# Altium PCB iTOP4412_main_Clasics_v3_2.PcbDoc (part 7 of 7)
Units mil, origin at the board's own origin, x right, y up, seen from the top; angles counter-clockwise.
Board outline 4331.71 x 7481.31 mil, 2 copper layers (TOP, BOTTOM), stack 10.4 mil thick; 260 components, 380 nets, 1380 pads, 1110 vias.
Unrouted connection lines stored in the file: 1.
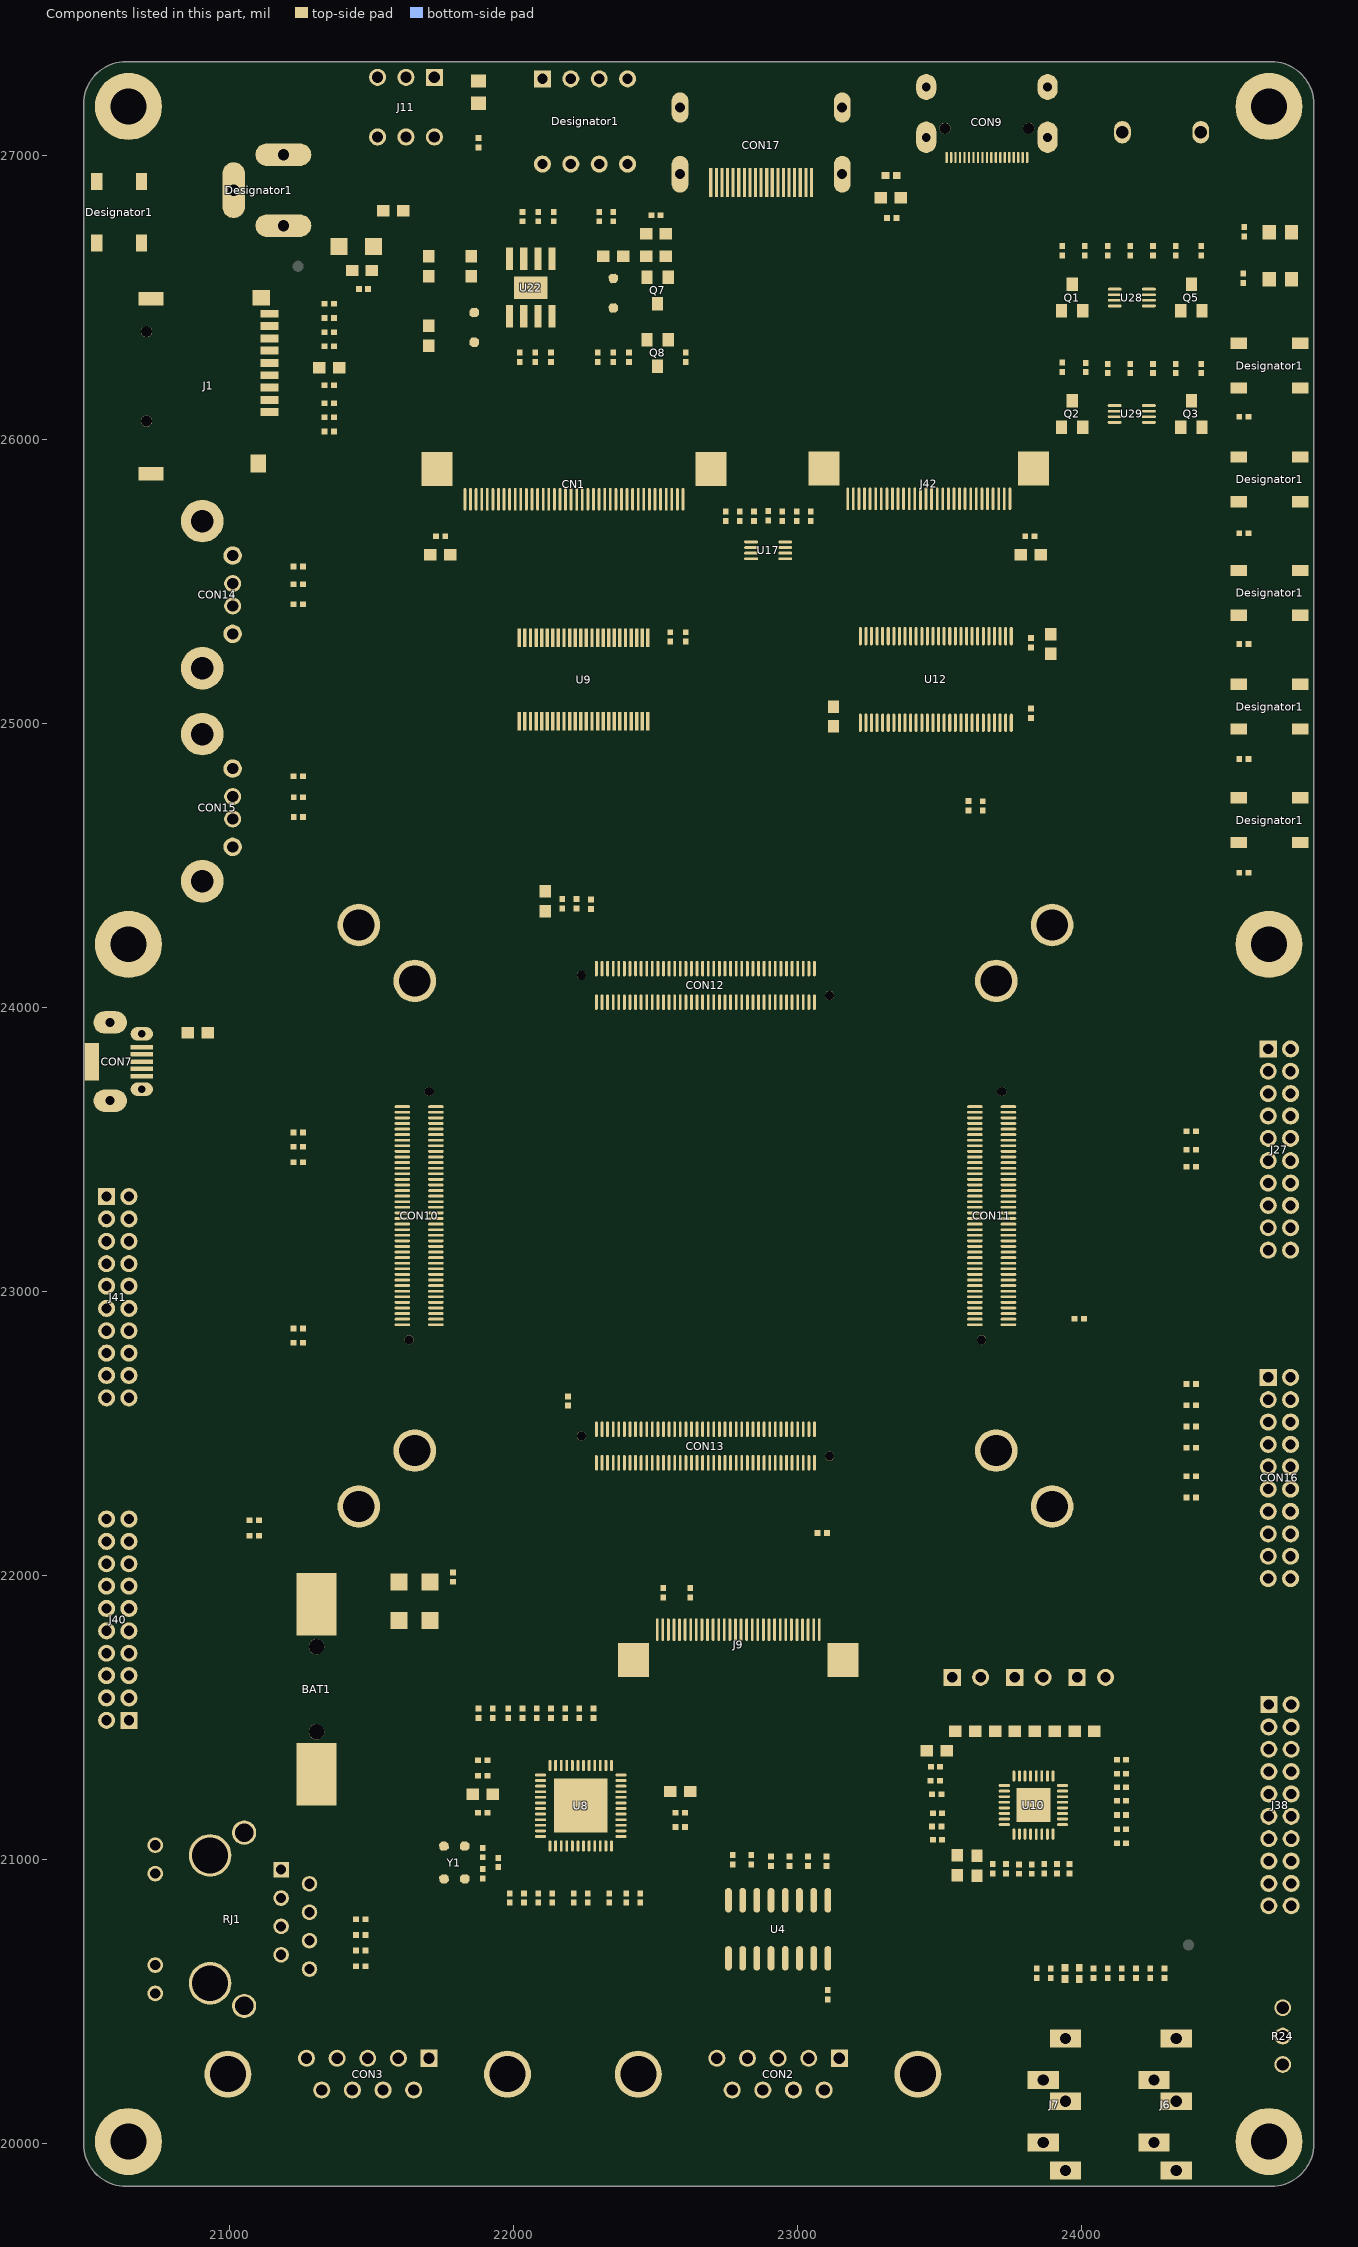
[diagram p7: the components of this part, seen from the top]

## Polygon pours and split planes (outlines as drawn) (continued)
GND on TOP (solid, pour order 235): 76 vertices, not listed, extent 21763.52,23005.72 21796.85,23050.54
GND on TOP (solid, pour order 233): 37 vertices, not listed, extent 21488.99,23010.81 21574.4,23032.91
GND on TOP (solid, pour order 231): 138 vertices, not listed, extent 21645.4,23035.34 21692.51,23096.19
GND on TOP (solid, pour order 229): 153 vertices, not listed, extent 23779.26,22975.78 24023.6,23120.12
GND on TOP (solid, pour order 227): 43 vertices, not listed, extent 21432.08,23070.65 21574.4,23089.25
GND on TOP (solid, pour order 225): 101 vertices, not listed, extent 20679.01,23073 21056.4,23383.16
GND on TOP (solid, pour order 223): 320 vertices, not listed, extent 22632.86,23442.45 23590.14,23640.57
GND on TOP (solid, pour order 221): 35 vertices, not listed, extent 24065.76,23488.07 24354.85,23773.07
GND on TOP (solid, pour order 219): 114 vertices, not listed, extent 23661.15,23519.5 23708.26,23656.57
GND on TOP (solid, pour order 217): 52 vertices, not listed, extent 23552.45,23541.57 23590.14,23564.35
GND on TOP (solid, pour order 215): 91 vertices, not listed, extent 24112.53,23568.98 24381.44,23811.31
GND on TOP (solid, pour order 213): 126 vertices, not listed, extent 22081.98,23640.45 22378.4,23984.36
GND on TOP (solid, pour order 211): 113 vertices, not listed, extent 23459.06,23675.21 23708.26,23717.57
GND on TOP (solid, pour order 209): 593 vertices, not listed, extent 22601.25,23793.57 23056.77,23984.36
GND on TOP (solid, pour order 207): 63 vertices, not listed, extent 21602.86,23799.33 22072.85,24477.33
GND on TOP (solid, pour order 205): 105 vertices, not listed, extent 22197.86,23990.57 22316.34,24195.57
GND on TOP (solid, pour order 203): 292 vertices, not listed, extent 22896.52,24173.48 23427.19,24437.57
GND on TOP (solid, pour order 201): 36 vertices, not listed, extent 22310.86,24832.62 22382.49,24967.43
GND on TOP (solid, pour order 199): 36 vertices, not listed, extent 22290.39,24867.15 22323.43,24969.43
GND on TOP (solid, pour order 197): 40 vertices, not listed, extent 23197.86,25043.81 23371.93,25097.07
GND on TOP (solid, pour order 195): 40 vertices, not listed, extent 22182.32,25046.43 22303.75,25092.57
GND on TOP (solid, pour order 193): 53 vertices, not listed, extent 23394.59,25043.81 23699.23,25097.07
GND on TOP (solid, pour order 191): 38 vertices, not listed, extent 22154.9,25208.57 22225.01,25264.71
GND on TOP (solid, pour order 189): 40 vertices, not listed, extent 22233.9,25182.57 22323.43,25264.71
GND on TOP (solid, pour order 187): 23473.33,25223.07 23473.33,25267.96 23640.17,25267.96 23640.17,25223.07 23473.33,25223.07
GND on TOP (solid, pour order 185): 36 vertices, not listed, extent 22359.9,25198.57 22421.86,25264.71
GND on TOP (solid, pour order 183): 77 vertices, not listed, extent 22490.24,25246.57 22591.85,25334.57
GND on TOP (solid, pour order 181): 42 vertices, not listed, extent 22172.28,25341.72 22290.81,25442.57
GND on TOP (solid, pour order 179): 38 vertices, not listed, extent 22280.86,25341.72 22335.81,25422.57
GND on TOP (solid, pour order 177): 19 vertices, not listed, extent 23405.04,25348.93 23484.95,25743.88
GND on TOP (solid, pour order 175): 110 vertices, not listed, extent 22145.93,25390.62 22234.24,25466.01
GND on TOP (solid, pour order 173): 42 vertices, not listed, extent 23464.86,25383.48 23526.41,25743.88
GND on TOP (solid, pour order 171): 40 vertices, not listed, extent 23344.86,25414.97 23408.3,25743.88
GND on TOP (solid, pour order 169): 36 vertices, not listed, extent 22185.86,25604.79 22210.74,25742.33
GND on TOP (solid, pour order 167): 36 vertices, not listed, extent 22374.54,25629.79 22387.9,25742.33
GND on TOP (solid, pour order 165): 20 vertices, not listed, extent 22753.86,25615.73 22805.21,25730.57
GND on TOP (solid, pour order 163): 34 vertices, not listed, extent 22433.59,25639.58 22449.85,25742.33
GND on TOP (solid, pour order 161): 54 vertices, not listed, extent 24310.86,26259.46 24494.35,26585.2
GND on TOP (solid, pour order 159): 273 vertices, not listed, extent 24033.04,26237.62 24222.85,26481.9
GND on TOP (solid, pour order 157): 71 vertices, not listed, extent 22287.86,26313.12 22415.8,26429
GND on TOP (solid, pour order 155): 140 vertices, not listed, extent 24521.36,26443.12 24684.59,26638.83
GND on TOP (solid, pour order 153): 51 vertices, not listed, extent 23660.86,26424.31 23694.85,26965.78
GND on TOP (solid, pour order 151): 48 vertices, not listed, extent 23555.86,26583.31 23578.85,26965.78
GND on TOP (solid, pour order 149): 98 vertices, not listed, extent 22450.73,26682.45 22512.85,26774.57
GND on TOP (solid, pour order 147): 38 vertices, not listed, extent 22472.86,26806.57 22507.84,27066.57
GND on TOP (solid, pour order 145): 48 vertices, not listed, extent 22726.04,26964.03 22916.91,27025.57
GND on TOP (solid, pour order 143): 7373 vertices, not listed, extent 22966.26,19870.57 24798.56,27123.07
GND on TOP (solid, pour order 141): 50 vertices, not listed, extent 22439.86,20744.45 22466.85,20832.57
GND on TOP (solid, pour order 139): 836 vertices, not listed, extent 22504.9,20750.5 23245.35,22362.31
GND on TOP (solid, pour order 137): 69 vertices, not listed, extent 22322.75,20923.86 22589.35,21083.28
GND on TOP (solid, pour order 135): 78 vertices, not listed, extent 24449.75,20929.98 24649.85,20982.72
GND on TOP (solid, pour order 133): 166 vertices, not listed, extent 21856.86,21454.57 22019.85,21917.52
GND on TOP (solid, pour order 131): 77 vertices, not listed, extent 24530.86,21481.16 24644.12,21583.52
GND on TOP (solid, pour order 129): 535 vertices, not listed, extent 20579.12,21661.97 20826.85,22058.52
GND on TOP (solid, pour order 127): 206 vertices, not listed, extent 22135.86,21858.57 22793.61,22468.52
GND on TOP (solid, pour order 125): 213 vertices, not listed, extent 24225.86,21912.22 24379.85,22630.25
GND on TOP (solid, pour order 123): 150 vertices, not listed, extent 20657.86,22055.42 20883.81,22330.57
GND on TOP (solid, pour order 121): 260 vertices, not listed, extent 24350.36,22211.81 24650.51,22447.62
GND on TOP (solid, pour order 119): 104 vertices, not listed, extent 24388.86,22463.57 24647.85,22528.42
GND on TOP (solid, pour order 117): 1527 vertices, not listed, extent 22205.86,22486.6 23490.17,23450.57
GND on TOP (solid, pour order 115): 75 vertices, not listed, extent 24391.4,22608.76 24585.66,22662.57
GND on TOP (solid, pour order 113): 1053 vertices, not listed, extent 20657.86,22646.56 21904.73,23331.86
GND on TOP (solid, pour order 111): 99 vertices, not listed, extent 24135.95,22667.35 24319.85,23070.97
GND on TOP (solid, pour order 109): 67 vertices, not listed, extent 21763.52,22984.62 21864.85,23195.64
GND on TOP (solid, pour order 107): 173 vertices, not listed, extent 23307.42,23004.62 23415.81,23128.48
GND on TOP (solid, pour order 105): 55 vertices, not listed, extent 21363.74,23152.95 21574.4,23208.69
GND on TOP (solid, pour order 103): 633 vertices, not listed, extent 23165.86,23152.67 23590.14,23328.01
GND on TOP (solid, pour order 101): 230 vertices, not listed, extent 21645.4,23195.3 21692.51,23360.84
GND on TOP (solid, pour order 99): 481 vertices, not listed, extent 23779.26,23356.78 24626.7,23738.07
GND on TOP (solid, pour order 97): 124 vertices, not listed, extent 23661.15,23413.18 23708.26,23494.46
GND on TOP (solid, pour order 95): 306 vertices, not listed, extent 23145.93,23560.57 23509,23852.57
GND on TOP (solid, pour order 93): 290 vertices, not listed, extent 22389.83,23653.98 22544.61,23814.81
GND on TOP (solid, pour order 91): 183 vertices, not listed, extent 22348.34,23960.86 23304.34,24178.07
GND on TOP (solid, pour order 89): 1522 vertices, not listed, extent 21780.89,24173.48 23368.93,25667.74
GND on TOP (solid, pour order 87): 45 vertices, not listed, extent 22195.86,24487.94 22225.01,24969.43
GND on TOP (solid, pour order 85): 44 vertices, not listed, extent 22113.21,24490.9 22169.85,24967.43
GND on TOP (solid, pour order 83): 223 vertices, not listed, extent 22650.86,24602.62 23217.15,25122.57
GND on TOP (solid, pour order 81): 34 vertices, not listed, extent 22335.17,25627.94 22348.53,25742.33
GND on TOP (solid, pour order 79): 366 vertices, not listed, extent 22669.55,25839.89 23424.47,26431.94
GND on TOP (solid, pour order 77): 894 vertices, not listed, extent 22544.36,25839.89 23538.86,27025.57
GND on TOP (solid, pour order 75): 538 vertices, not listed, extent 21672.86,25838.34 22593.87,26840.57
GND on TOP (solid, pour order 73): 149 vertices, not listed, extent 24330.86,25870.53 24444.85,26137.82
GND on TOP (solid, pour order 71): 166 vertices, not listed, extent 24225.68,25903.57 24345.9,26048.03
GND on TOP (solid, pour order 69): 101 vertices, not listed, extent 22512.65,26105.57 22622.85,26242.52
GND on TOP (solid, pour order 67): 100 vertices, not listed, extent 24190.4,26109.62 24301.35,26248.2
GND on TOP (solid, pour order 65): 107 vertices, not listed, extent 24237.73,26187.96 24338.81,26481.34
GND on TOP (solid, pour order 63): 2410 vertices, not listed, extent 21582.86,26194.83 24798.56,27310.88
GND on TOP (solid, pour order 61): 185 vertices, not listed, extent 23885.86,26223.19 24040.66,26660.25
GND on TOP (solid, pour order 59): 142 vertices, not listed, extent 22365.86,26243.57 22553.36,26514.57
GND on TOP (solid, pour order 57): 8676 vertices, not listed, extent 20507.85,19870.57 24397.85,27310.88
GND on TOP (solid, pour order 55): 1935 vertices, not listed, extent 21672.86,24527.07 23261.64,26083.17
GND on TOP (solid, pour order 53): 23102.85,27231.94 23102.85,27109.49 23212.85,27109.49 23212.85,27231.94 23102.85,27231.94
GND on TOP (solid, pour order 47): 22526.18,27231.06 22526.18,27111.84 22646.57,27111.84 22646.57,27231.06 22526.18,27231.06
GND on TOP (solid, pour order 43): 21082.85,27065.57 21082.85,26945.57 21317.85,26945.57 21317.85,27065.57 21082.85,27065.57
GND on TOP (solid, pour order 41): 23210.36,26865.57 23210.36,27010.39 23102.85,27010.39 23102.85,26865.57 23210.36,26865.57
GND on TOP (solid, pour order 35): 22627.19,26862.99 22627.19,27001.29 22544.98,27001.29 22544.98,26862.99 22627.19,26862.99
GND on TOP (solid, pour order 31): 20942.85,26995.57 20942.85,26745.57 21057.85,26745.57 21057.85,26995.57 20942.85,26995.57
GND on TOP (solid, pour order 29): 50 vertices, not listed, extent 23457.86,21085.57 23589.03,21148.57
VSYS on TOP (solid, pour order 21): 71 vertices, not listed, extent 21477.85,23670.57 22487.85,26915.57
VSYS on TOP (solid, pour order 17): 17 vertices, not listed, extent 21847.85,22730.57 22137.85,23655.57
DC33V on TOP (solid, pour order 15): 23059.85,22338.57 23059.85,22542.57 23133.85,22542.57 23133.85,22456.57 23087.85,22456.57 23087.85,22392.57 23120.85,22392.57 23120.85,22338.57 23059.85,22338.57
N64621644 on TOP (solid, pour order 11): 21687.85,26765.21 21593.33,26765.52 21587.9,26765.52 21587.85,26765.57 21587.85,27310.57 21593.33,27310.57 21667.85,27310.57 21667.85,26905.23 21687.85,26905.23 21687.85,26765.21
VSYS_K on TOP (solid, pour order 9): 64 vertices, not listed, extent 21247.85,22805.57 22337.91,26595.72
N64899462 on TOP (solid, pour order 7): 21997.85,26475.57 21937.85,26475.57 21897.85,26475.57 21822.85,26475.57 21812.85,26465.57 21812.85,26435.57 21817.85,26430.57 21892.85,26430.57 21907.85,26415.57 21937.85,26415.57 21942.85,26415.57 21972.85,26385.57 21992.85,26385.57 21997.85,26390.57 21997.85,26475.57
VSYS_LCD on TOP (solid, pour order 5): 22 vertices, not listed, extent 22487.85,26035.57 22697.85,26670.57
VSYS_LCD on TOP (solid, pour order 3): 21824.85,25844.57 21824.85,25754.63 21904.43,25754.63 21904.43,25844.57 21824.85,25844.57
GND on BOTTOM (solid, pour order 387): 163 vertices, not listed, extent 20676.13,21858.2 20781.92,21911.68
GND on BOTTOM (solid, pour order 385): 122 vertices, not listed, extent 24065.36,21277.07 24245.1,21361.57
GND on BOTTOM (solid, pour order 383): 168 vertices, not listed, extent 20676.13,21779.46 20978.81,21861.57
GND on BOTTOM (solid, pour order 381): 208 vertices, not listed, extent 22902.86,22658.57 23310.81,23023.37
GND on BOTTOM (solid, pour order 379): 165 vertices, not listed, extent 23512.9,22814.57 23713.78,22859.57
GND on BOTTOM (solid, pour order 377): 471 vertices, not listed, extent 23165.86,23030.62 23376.85,23328.01
GND on BOTTOM (solid, pour order 375): 346 vertices, not listed, extent 21455.47,23230.13 21654.37,23335.83
GND on BOTTOM (solid, pour order 373): 226 vertices, not listed, extent 24377.37,23356.04 24627.17,23487.57
GND on BOTTOM (solid, pour order 371): 64 vertices, not listed, extent 24122.9,23398.57 24625.08,23763.47
GND on BOTTOM (solid, pour order 369): 175 vertices, not listed, extent 23538.86,23541.57 24064.85,25721.97
GND on BOTTOM (solid, pour order 367): 209 vertices, not listed, extent 23425.86,23652.52 23523.34,23852.16
GND on BOTTOM (solid, pour order 365): 280 vertices, not listed, extent 22662.26,23858.57 22812.41,23905.58
GND on BOTTOM (solid, pour order 363): 215 vertices, not listed, extent 23055.86,24322.62 23139.85,24571.81
GND on BOTTOM (solid, pour order 361): 194 vertices, not listed, extent 23425.86,24434.75 23546.85,24621.55
GND on BOTTOM (solid, pour order 359): 360 vertices, not listed, extent 21964.9,24437.62 22509.85,24622.57
GND on BOTTOM (solid, pour order 357): 84 vertices, not listed, extent 22685.86,24611.41 23007.85,24941.81
GND on BOTTOM (solid, pour order 355): 209 vertices, not listed, extent 20657.86,21582.98 20879.7,21714.46
GND on BOTTOM (solid, pour order 353): 222 vertices, not listed, extent 20679.01,22016.75 20991.85,22172.57
GND on BOTTOM (solid, pour order 351): 111 vertices, not listed, extent 21195.86,22032.62 21263.81,22126.61
GND on BOTTOM (solid, pour order 349): 1558 vertices, not listed, extent 23025.86,22108.57 24650.51,22740.57
GND on BOTTOM (solid, pour order 347): 163 vertices, not listed, extent 20588.49,22173.57 20834.85,22652.55
GND on BOTTOM (solid, pour order 345): 1327 vertices, not listed, extent 22116.01,22728.57 23488.84,24288.52
GND on BOTTOM (solid, pour order 343): 729 vertices, not listed, extent 21561.02,22792.62 22345.91,23476.57
GND on BOTTOM (solid, pour order 341): 269 vertices, not listed, extent 22232.86,22818.57 23038.35,23172.57
GND on BOTTOM (solid, pour order 339): 205 vertices, not listed, extent 24461.44,23159.56 24647.85,23291.03
GND on BOTTOM (solid, pour order 337): 112 vertices, not listed, extent 24179.9,23323.57 24625.08,23644.99
GND on BOTTOM (solid, pour order 335): 302 vertices, not listed, extent 21509.86,23406.49 21887.88,23606.32
GND on BOTTOM (solid, pour order 333): 1013 vertices, not listed, extent 23485.86,23413.98 24145.81,25803.27
GND on BOTTOM (solid, pour order 331): 151 vertices, not listed, extent 21819.22,23478.57 21945.81,23547.57
GND on BOTTOM (solid, pour order 329): 874 vertices, not listed, extent 22085.86,23615.9 22618.85,24462.61
GND on BOTTOM (solid, pour order 327): 483 vertices, not listed, extent 23022.86,23792.02 23912.85,25446.52
GND on BOTTOM (solid, pour order 325): 76 vertices, not listed, extent 23505.91,23841.46 23545.35,24413.62
GND on BOTTOM (solid, pour order 323): 289 vertices, not listed, extent 22814.04,23890.57 22912.85,24332.07
GND on BOTTOM (solid, pour order 321): 82 vertices, not listed, extent 23056.36,26014.07 23170.31,26591.07
GND on BOTTOM (solid, pour order 319): 13401 vertices, not listed, extent 20507.85,19870.57 24798.56,27310.88
GND on BOTTOM (solid, pour order 51): 23103.03,27231.94 23103.03,27109.2 23213.14,27109.2 23213.14,27231.94 23103.03,27231.94
GND on BOTTOM (solid, pour order 49): 22537.85,27235.57 22537.85,27110.57 22637.85,27110.57 22637.85,27235.57 22537.85,27235.57
GND on BOTTOM (solid, pour order 45): 21072.85,27055.57 21072.85,26940.57 21317.85,26940.57 21317.85,27055.57 21072.85,27055.57
GND on BOTTOM (solid, pour order 39): 23211.83,26863.86 23211.83,27002.9 23102.6,27002.9 23102.6,26863.86 23211.83,26863.86
GND on BOTTOM (solid, pour order 37): 22532.85,27014.21 22532.85,26858.29 22642.85,26858.29 22642.85,27014.21 22532.85,27014.21
GND on BOTTOM (solid, pour order 33): 20937.85,27000.57 20937.85,26770.57 21047.85,26770.57 21047.85,27000.57 20937.85,27000.57
GND on BOTTOM (solid, pour order 27): 357 vertices, not listed, extent 21231.81,22140.49 21870.74,22557.16
GND on BOTTOM (solid, pour order 25): 64 vertices, not listed, extent 21355.36,24072.12 21554.85,24515.02
GND on BOTTOM (solid, pour order 23): 73 vertices, not listed, extent 20576.46,21844.2 20620.38,21911.68
VSYS on BOTTOM (solid, pour order 19): 21927.85,23715.57 21950.41,23678.02 22067.85,23570.57 22067.85,23550.57 22115.35,23507.82 22137.85,23530.57 22137.93,23600.57 22137.85,23600.57 21972.67,23765.75 21962.59,23765.75 21927.85,23715.57
N64621021 on BOTTOM (solid, pour order 13): 17 vertices, not listed, extent 21084.44,26685.57 21777.85,27310.57
no net on PLACE_BOUND_TOP (solid): 21282.22,26610.57 ccw(c21242.85,26610.57) 21242.85,26649.94 ccw(c21242.85,26610.57) 21203.48,26610.57 ccw(c21242.85,26610.57) 21242.85,26571.2 ccw(c21242.85,26610.57) 21282.22,26610.57
no net on PLACE_BOUND_TOP (solid): 24417.22,20700.57 ccw(c24377.85,20700.57) 24377.85,20739.94 ccw(c24377.85,20700.57) 24338.48,20700.57 ccw(c24377.85,20700.57) 24377.85,20661.2 ccw(c24377.85,20700.57) 24417.22,20700.57
no net on Mechanical 16 (solid): 24417.22,20700.57 ccw(c24377.85,20700.57) 24377.85,20739.94 ccw(c24377.85,20700.57) 24338.48,20700.57 ccw(c24377.85,20700.57) 24377.85,20661.2 ccw(c24377.85,20700.57) 24417.22,20700.57

## Keep-outs
TOP:
  circle w1: c21242.85,26610.57 r39.37
  circle w1: c24377.85,20700.57 r39.37
  circle w1: c21242.85,26610.57 r39.37
  circle w1: c24377.85,20700.57 r39.37
BOTTOM:
  circle w1: c24377.85,20700.57 r39.37
  circle w1: c24377.85,20700.57 r39.37

## Other copper
TOP:
  drawing of 259 lines, arcs and shapes, not listed
BOTTOM:
  drawing of 215 lines, arcs and shapes, not listed

## Silkscreen, mask and mechanical layers (free items; w line width, h text height)
Top Overlay:
  drawing of 749 lines, arcs and shapes, not listed
  text "OM" at 22468.37,27248.9 h50
  text "V3_2" at 20792.4,27228.9 h50
  text "RESET" at 20507.85,26970.57 h50
  text "POWER" at 21491.91,26918.9 h50
  text "HDMI" at 23717.85,26870.57 h50
  text "LVDS-LCD" at 22777.85,26720.57 h50
  text "HOME" at 24552.4,26388.9 h50
  text "TF" at 21177.85,25900.57 h50
  text "BACK" at 24277.85,25820.57 h50
  text "RGB-LCD" at 22050.93,25608.9 h50
  text "LVDS-LCD" at 23260.44,25608.9 h50
  text "SLEEP" at 24267.85,25450.57 h50
  text "VOL+" at 24277.85,25040.57 h50
  text "VOL-" at 24287.85,24650.57 h50
  text "OTG" at 20532.85,24015.57 h50
  text "CAMERA" at 24529.52,23104.14 h50 r90
  text "POP & SCP" at 22674.52,22978.57 h80 r90
  text "UART+KEYPAD+GPS" at 20824.52,22554.74 h50 r90
  text "JTAG" at 24529.52,22245.11 h50 r90
  text "MIPI" at 23032.85,21955.57 h50
  text "WIFI" at 20824.52,21535.11 h50 r90
  text "GPIO" at 24529.52,21095.11 h50 r90
  text "UART1" at 22487.85,20445.57 h50
  text "PHONE" at 23828.91,20440.9 h50
  text "UART2" at 21726.91,20438.9 h50
  text "MIC" at 24177.88,20438.9 h50
  text "AD" at 24529.52,20421.09 h50 r90
NCLEGEND-1-2:
  circle w1: c27474.38,20890.59 r25
  circle w1: c27474.38,18642.75 r32.5
  lines w1: 27025,13725.6 31859.7,13725.6 ; 27025,14006.58 31859.7,14006.58 ; 27025,14287.56 31859.7,14287.56 ; 27025,14568.54 31859.7,14568.54 ; 27025,14849.52 31859.7,14849.52 ; 27025,15130.5 31859.7,15130.5 ; 27025,15411.48 31859.7,15411.48 ; 27025,15692.46 31859.7,15692.46 ; 27025,15973.44 31859.7,15973.44 ; 27025,16254.42 31859.7,16254.42 ; 27025,16535.4 31859.7,16535.4 ; 27025,16816.38 31859.7,16816.38 ; 27025,17097.36 31859.7,17097.36 ; 27025,17378.34 31859.7,17378.34 ; 27025,17659.32 31859.7,17659.32 ; 27025,17940.3 31859.7,17940.3 ; 27025,18221.28 31859.7,18221.28 ; 27025,18502.26 31859.7,18502.26 ; 27025,18783.24 31859.7,18783.24 ; 27025,19064.22 31859.7,19064.22 ; 27025,19345.2 31859.7,19345.2 ; 27025,19626.18 31859.7,19626.18 ; 27025,19907.16 31859.7,19907.16 ; 27025,20188.14 31859.7,20188.14 ; 27025,20469.12 31859.7,20469.12 ; 27025,20750.1 31859.7,20750.1 ; 27025,21031.08 31859.7,21031.08 ; 27025,21312.06 31859.7,21312.06 ; 27025,21593.04 31859.7,21593.04 ; 27025,21874.02 31859.7,21874.02 ; 27025,22155 31859.7,22155 ; 27468.38,21452.55 27480.38,21452.55 ; 27474.38,21446.55 27474.38,21458.55 ; 27923.76,13444.62 27923.76,21874.02 ; 29814.26,13444.62 29814.26,21874.02 ; 31084.92,13444.62 31084.92,21874.02 ; 27025,13444.62 27025,22405 31859.7,22405 31859.7,13444.62 27025,13444.62 ; 27431.07,14408.36 27431.07,14447.74 27517.69,14447.74 27517.69,14408.36 27431.07,14408.36 ; 27435.01,13545.74 ccw(c27435.01,13585.11) 27435.01,13624.48 27513.75,13624.48 ccw(c27513.75,13585.11) 27513.75,13545.74 27435.01,13545.74 ; 27435.01,13826.72 ccw(c27435.01,13866.09) 27435.01,13905.46 27513.75,13905.46 ccw(c27513.75,13866.09) 27513.75,13826.72 27435.01,13826.72 ; 27435.41,20328.63 27446.82,20301.08 27474.38,20289.66 27501.93,20301.08 27513.34,20328.63 27501.93,20356.18 27474.38,20367.6 27446.82,20356.18 27435.41,20328.63 ; 27438.94,14111.64 ccw(c27438.94,14147.07) 27438.94,14182.5 27509.81,14182.5 ccw(c27509.81,14147.07) 27509.81,14111.64 27438.94,14111.64 ; 27441.9,19199.3 ccw(c27474.38,19199.3) 27506.86,19199.3 27506.86,19210.12 ccw(c27474.38,19210.12) 27441.9,19210.12 27441.9,19199.3 ; 27450.76,14673.6 ccw(c27450.76,14709.03) 27450.76,14744.46 27498,14744.46 ccw(c27498,14709.03) 27498,14673.6 27450.76,14673.6 ; 27452.72,18907.49 27452.72,18939.97 27496.03,18939.97 27496.03,18907.49 27452.72,18907.49 ; 27454.69,14958.51 ccw(c27454.69,14990.01) 27454.69,15021.51 27494.06,15021.51 ccw(c27494.06,14990.01) 27494.06,14958.51 27454.69,14958.51 ; 27454.69,19746.99 27474.38,19786.35 27494.06,19746.99 27454.69,19746.99 ; 27454.69,20047.65 27474.38,20067.33 27494.06,20047.65 27474.38,20027.97 27454.69,20047.65 ; 27460.6,15239.49 ccw(c27460.6,15270.99) 27460.6,15302.49 27488.16,15302.49 ccw(c27488.16,15270.99) 27488.16,15239.49 27460.6,15239.49 ; 27461.09,15800.47 ccw(c27461.09,15832.95) 27461.09,15865.43 27487.67,15865.43 ccw(c27487.67,15832.95) 27487.67,15800.47 27461.09,15800.47 ; 27461.09,16081.45 ccw(c27461.09,16113.93) 27461.09,16146.41 27487.67,16146.41 ccw(c27487.67,16113.93) 27487.67,16081.45 27461.09,16081.45 ; 27462.38,20603.61 27474.38,20597.61 27486.38,20603.61 27486.38,20615.61 27474.38,20621.61 27462.38,20615.61 27462.38,20603.61 ; 27464.54,15520.47 ccw(c27464.54,15551.97) 27464.54,15583.47 27484.22,15583.47 ccw(c27484.22,15551.97) 27484.22,15520.47 27464.54,15520.47 ; 27468.38,21165.57 27480.38,21165.57 27480.38,21177.57 27468.38,21177.57 27468.38,21165.57 ; 27469.38,19455.69 ccw(c27469.38,19485.69) 27469.38,19515.69 27479.38,19515.69 ccw(c27479.38,19485.69) 27479.38,19455.69 27469.38,19455.69
  text "DRILL CHART: TOP to BOTTOM" at 28142.35,22217.5 h125
  text "ALL UNITS ARE IN MILS" at 28392.35,21967.5 h125
  text "FIGURE" at 27174.38,21686.52 h125
  text "SIZE" at 28669.01,21686.52 h125
  text "PLATED" at 30149.59,21686.52 h125
  text "QTY" at 31322.31,21686.52 h125
  text "12.0" at 28669.01,21390.05 h125
  text "PLATED" at 30149.59,21390.05 h125
  text "111" at 31322.31,21390.05 h125
  text "12.0" at 28669.01,21109.07 h125
  text "PLATED" at 30149.59,21109.07 h125
  text "637" at 31322.31,21109.07 h125
  text "16.0" at 28669.01,20828.09 h125
  text "PLATED" at 30149.59,20828.09 h125
  text "350" at 31322.31,20828.09 h125
  text "24.0" at 28669.01,20547.11 h125
  text "PLATED" at 30149.59,20547.11 h125
  text "12" at 31372.31,20547.11 h125
  text "36.0" at 28669.01,20266.13 h125
  text "PLATED" at 30149.59,20266.13 h125
  text "126" at 31322.31,20266.13 h125
  text "39.37" at 28619.01,19985.15 h125
  text "PLATED" at 30149.59,19985.15 h125
  text "4" at 31422.31,19985.15 h125
  text "39.37" at 28619.01,19704.17 h125
  text "PLATED" at 30149.59,19704.17 h125
  text "4" at 31422.31,19704.17 h125
  text "40.0" at 28669.01,19423.19 h125
  text "PLATED" at 30149.59,19423.19 h125
  text "24" at 31372.31,19423.19 h125
  text "43.307" at 28569.01,19142.21 h125
  text "PLATED" at 30149.59,19142.21 h125
  text "3" at 31422.31,19142.21 h125
  text "43.311" at 28569.01,18861.23 h125
  text "PLATED" at 30149.59,18861.23 h125
  text "2" at 31422.31,18861.23 h125
  text "65.0" at 28669.01,18580.25 h125
  text "PLATED" at 30149.59,18580.25 h125
  text "2" at 31422.31,18580.25 h125
  text "78.74" at 28619.01,18299.27 h125
  text "PLATED" at 30149.59,18299.27 h125
  text "4" at 31422.31,18299.27 h125
  text "110.0" at 28619.01,18018.29 h125
  text "PLATED" at 30149.59,18018.29 h125
  text "8" at 31422.31,18018.29 h125
  text "125.984" at 28519.01,17737.31 h125
  text "PLATED" at 30149.59,17737.31 h125
  text "4" at 31422.31,17737.31 h125
  text "126.0" at 28619.01,17456.33 h125
  text "PLATED" at 30149.59,17456.33 h125
  text "6" at 31422.31,17456.33 h125
  text "126.0" at 28619.01,17175.35 h125
  text "PLATED" at 30149.59,17175.35 h125
  text "2" at 31422.31,17175.35 h125
  text "32.0" at 28669.01,16894.37 h125
  text "NON-PLATED" at 29949.59,16894.37 h125
  text "8" at 31422.31,16894.37 h125
  text "39.37" at 28619.01,16613.39 h125
  text "NON-PLATED" at 29949.59,16613.39 h125
  text "4" at 31422.31,16613.39 h125
  text "55.0" at 28669.01,16332.41 h125
  text "NON-PLATED" at 29949.59,16332.41 h125
  text "2" at 31422.31,16332.41 h125
  text "33.465x25.591" at 28219.01,16051.43 h125
  text "PLATED" at 30149.59,16051.43 h125
  text "1" at 31422.31,16051.43 h125
  text "33.465x25.591" at 28219.01,15770.45 h125
  text "PLATED" at 30149.59,15770.45 h125
  text "1" at 31422.31,15770.45 h125
  text "51.181x31.496" at 28219.01,15489.47 h125
  text "PLATED" at 30149.59,15489.47 h125
  text "2" at 31422.31,15489.47 h125
  text "59.055x31.496" at 28219.01,15208.49 h125
  text "PLATED" at 30149.59,15208.49 h125
  text "2" at 31422.31,15208.49 h125
  text "70.866x31.496" at 28219.01,14927.51 h125
  text "PLATED" at 30149.59,14927.51 h125
  text "2" at 31422.31,14927.51 h125
  text "82.677x35.433" at 28219.01,14646.53 h125
  text "PLATED" at 30149.59,14646.53 h125
  text "2" at 31422.31,14646.53 h125
  text "86.614x39.37" at 28269.01,14365.55 h125
  text "PLATED" at 30149.59,14365.55 h125
  text "10" at 31372.31,14365.55 h125
  text "106.299x35.433" at 28169.01,14084.57 h125
  text "PLATED" at 30149.59,14084.57 h125
  text "2" at 31422.31,14084.57 h125
  text "118.11x39.37" at 28269.01,13803.59 h125
  text "PLATED" at 30149.59,13803.59 h125
  text "1" at 31422.31,13803.59 h125
  text "118.11x39.37" at 28269.01,13522.61 h125
  text "PLATED" at 30149.59,13522.61 h125
  text "2" at 31422.31,13522.61 h125
OUTLINE:
  lines w1: 20487.85,20000.57 ccw(c20637.85,20000.57) 20637.85,19850.57 24668.56,19850.57 ccw(c24668.56,20000.57) 24818.56,20000.57 24818.56,27180.89 ccw(c24668.56,27180.89) 24668.56,27330.89 20637.85,27330.89 ccw(c20637.85,27180.89) 20487.85,27180.89 20487.85,20000.57
DIMENSION:
  lines w2: 22522.85,17770.89 24067.85,17770.89 ; 22522.85,17875.89 24067.85,17875.89 ; 22522.85,17980.89 24067.85,17980.89 ; 22522.85,18075.89 24067.85,18075.89 ; 22522.85,18360.89 24067.85,18360.89 ; 22522.85,18440.89 24067.85,18440.89 ; 22522.85,18540.89 24067.85,18540.89 ; 22522.85,18645.89 24067.85,18645.89 ; 23087.85,17685.89 23087.85,18075.89 ; 23557.85,18360.89 23557.85,18720.89 ; 22522.85,17685.89 24062.85,17685.89 24067.85,17690.89 24067.85,18720.89 22522.85,18720.89 22522.85,18710.89 22522.85,17685.89
  lines w6: 22475,17301 24300,17301 ; 22475,17376 24300,17376 ; 22475,17451 24300,17451 24300,17476 ; 22653,15642 22663,15642 23909,15642 ; 22653,15717 23908,15717 ; 22653,15792 23908,15792 ; 22653,15877 23909,15880 ; 22653,15952 22653,15955 23909,15955 ; 22655.5,15267 23908,15267 23909,15267 ; 22655.5,15342 23908,15342 ; 22655.5,15417 23908,15417 ; 22655.5,15492 23908,15492 ; 22655.5,15567 23908,15567 ; 22658,15267 22653,15267 ; 22659,16030 23909,16030 ; 22659,16130 23909,16130 ; 22659,16205 23909,16205 23909,15267 ; 22660,15042 23906,15042 ; 22660,15117 23906,15117 ; 22660,15192 23906,15192 ; 22684,16205 22653,16205 22653,15267 ; 22725,17226 22725,17451 ; 23034,16130 23059,16130 23059,15642 23058,15642 23058,15117 ; 23057,14594 23058,14595 23058,14742 ; 23057,14741 23058,14742 ; 23059,14815 23058,14816 ; 23083,15117 23058,15117 ; 23125,17226 23125,17451 ; 23558,14595 23558,14743 ; 23559,14742 23558,14743 ; 23584,16130 23559,16130 23559,15642 ; 23650,17226 23650,17451 ; 23906,14892 22653,14892 ; 23906,14967 22653,14967 ; 23906,15267 23909,15267 ; 23975,17226 23975,17451 24000,17451 ; 22653,14668 22653,14594 23907,14594 23908,14595 23908,14670 ; 22653,14668 23906,14668 23908,14670 ; 22653,14668 22653,14743 ; 22653,14743 22654,14742 23908,14742 ; 22653,14743 22653,14817 ; 22653,14817 23908,14817 ; 22653,14817 22653,14892 ; 22653,14892 22653,14967 ; 22653,14967 22653,15267 ; 23058,14742 23058,14816 ; 23058,14816 23058,15117 ; 23558,14743 23558,15642 ; 23558,15642 23559,15642 ; 23558,15642 23559,15642 ; 23908,14670 23908,14742 ; 23908,14742 23908,14817 ; 23908,14817 23908,14967 ; 23908,14967 23909,14967 ; 23908,14967 23909,14967 ; 23909,14967 23909,15267 ; 22475,17226 22475,17526 22625,17526 24300,17526 24300,17226 22475,17226
  text "BOARD NAME:4412_main_clasics-v3_2" at 22526.85,18671.89 h30
  text "LAYERS:2" at 23626.85,18671.89 h30
  text "BOARD THICKNESS :" at 22526.85,18571.89 h30
  text "1.6mm" at 23076.85,18571.89 h30
  text "UNITS: mil" at 23626.85,18571.89 h30
  text "DIELECTRIC MATERIAL: FR-4" at 22526.85,18471.89 h30
  text "PCB  SURFACE FINISHES:  [2]" at 22522.85,18380.89 h30
  text "1.HASL" at 22519,18312 h30
  text "2.ENIG" at 22519,18262 h30
  text "3.OSP" at 22516.85,18211.89 h30
  text "4.IMMERSION TIN" at 22516.85,18161.89 h30
  text "5.GOLD FINGERS;OTHERS" at 22516.85,18111.89 h30
  text "SPELL MODE: NO" at 22526.85,18011.89 h30
  text "OPEN WINDOWS:" at 23226.85,18011.89 h30
  text "SHORT NETS: NO" at 22526.85,17911.89 h30
  text "TEL:010" at 23226.85,17911.89 h30
  text "DESIGNER:tyh" at 22526.85,17811.89 h30
  text "DATE:2015-1-30" at 23226.85,17811.89 h30
  text "E-MAIL:" at 22526.85,17711.89 h30
  text "DIFFERENTIAL IMPEDANCE      LIST" at 22853,17482 h30
  text "WIDTH/SPACE" at 22748,17397 h30
  text "IMPEDANCE(OHM)" at 23193,17397 h30
  text "PRECISION" at 23668,17397 h30
  text "FREQUENGY" at 24018,17397 h30
  text "LAYER" at 22518,17392 h30
  text "REFERENCE    STACK UP" at 22983,16142 h30
  text "MATERIAL" at 22734,16055 h30
  text "LAYER NAME" at 23159,16055 h30
  text "THICKNESS" at 23584,16055 h30
  text "COPPER" at 22733,15967 h30
  text "ART01" at 23083,15967 h30
  text "2.1MIL" at 23583,15967 h30
  text "1--ARTWORK TOP" at 20585,15905 h100
  text "CORE" at 23085,15900 h30
  text "57.2MIL" at 23585,15895 h30
  text "FR-4" at 22733,15892 h30
  text "COPPER" at 22735,15820 h30
  text "ART02" at 23080,15820 h30
  text "2.1MIL" at 23590,15820 h30
  text "2--ARTWORK BOTTOM" at 20575,15350 h100
  text "Notes:" at 21430,14532 h62.99
  text "1.Drill Tolerance +/-1.95mil[+/-0.05mm] for connector 24mil hole" at 21430,14282 h62.99
  text "2.Filled the via under BGA with bule_oil except test via" at 21430,14182 h62.99
PEN3:
  lines w1: 21875.85,26205.89 21876.85,26205.89
DRAWING_ORIGIN:
  lines w1: 20462.85,19850.57 20512.85,19850.57 ; 20487.85,19825.57 20487.85,19875.57

## Text inside footprints (layer, text, board x,y; h text height)
BAT1: PIN_NUMBER "2" at 21297.85,21900.57 h25 r270; PIN_NUMBER "1" at 21297.85,21300.57 h25 r270
C1: PIN_NUMBER "2" at 21376.87,26680.57 h25 r180; PIN_NUMBER "1" at 21498.83,26680.57 h25 r180
C2: PIN_NUMBER "2" at 21446.35,26530.57 h25 r180; PIN_NUMBER "1" at 21479.34,26530.57 h25 r180
C3: PIN_NUMBER "2" at 21422.85,26595.57 h25 r180; PIN_NUMBER "1" at 21492.85,26595.57 h25 r180
C4: PIN_NUMBER "2" at 22476.35,26790.57 h25 r180; PIN_NUMBER "1" at 22509.35,26790.57 h25 r180
C5: PIN_NUMBER "2" at 22457.85,26725.57 h25 r180; PIN_NUMBER "1" at 22527.85,26725.57 h25 r180
C11: PIN_NUMBER "2" at 23097.85,20509.07 h25 r270; PIN_NUMBER "1" at 23097.85,20542.07 h25 r270
C12: PIN_NUMBER "2" at 23092.85,20979.07 h25 r270; PIN_NUMBER "1" at 23092.85,21012.07 h25 r270
C13: PIN_NUMBER "2" at 22897.85,21012.07 h25 r90; PIN_NUMBER "1" at 22897.85,20979.07 h25 r90
C14: PIN_NUMBER "2" at 23027.85,21012.07 h25 r90; PIN_NUMBER "1" at 23027.85,20979.07 h25 r90
C15: PIN_NUMBER "2" at 22962.85,20979.07 h25 r270; PIN_NUMBER "1" at 22962.85,21012.07 h25 r270
C26: PIN_NUMBER "2" at 21866.35,21295.57 h25 r180; PIN_NUMBER "1" at 21899.35,21295.57 h25 r180
C27: PIN_NUMBER "2" at 21847.85,21230.57 h25 r180; PIN_NUMBER "1" at 21917.85,21230.57 h25 r180
C28: PIN_NUMBER "1" at 22387.85,20849.07 h25 r90; PIN_NUMBER "2" at 22387.85,20882.07 h25 r90
C29: PIN_NUMBER "1" at 21977.85,20849.07 h25 r90; PIN_NUMBER "2" at 21977.85,20882.07 h25 r90
C30: PIN_NUMBER "2" at 22542.85,25289.07 h25 r270; PIN_NUMBER "1" at 22542.85,25322.07 h25 r270
C31: PIN_NUMBER "2" at 21866.35,21165.57 h25 r180; PIN_NUMBER "1" at 21899.35,21165.57 h25 r180
C32: PIN_NUMBER "2" at 21866.35,21350.57 h25 r180; PIN_NUMBER "1" at 21899.35,21350.57 h25 r180
C33: PIN_NUMBER "2" at 21917.85,21499.07 h25 r270; PIN_NUMBER "1" at 21917.85,21532.07 h25 r270
C34: PIN_NUMBER "2" at 22612.85,21240.57 h25; PIN_NUMBER "1" at 22542.85,21240.57 h25
C35: PIN_NUMBER "1" at 22072.85,21532.07 h25 r270; PIN_NUMBER "2" at 22072.85,21499.07 h25 r270
C36: PIN_NUMBER "2" at 21882.85,20934.08 h25 r270; PIN_NUMBER "1" at 21882.85,20967.07 h25 r270
C37: PIN_NUMBER "2" at 21882.85,21042.07 h25 r90; PIN_NUMBER "1" at 21882.85,21009.07 h25 r90
C38: PIN_NUMBER "2" at 22077.85,20849.07 h25 r270; PIN_NUMBER "1" at 22077.85,20882.07 h25 r270
C39: PIN_NUMBER "2" at 22437.85,20849.07 h25 r270; PIN_NUMBER "1" at 22437.85,20882.07 h25 r270
C40: PIN_NUMBER "2" at 21469.35,20790.57 h25; PIN_NUMBER "1" at 21436.35,20790.57 h25
C41: PIN_NUMBER "2" at 21359.35,26191.57 h25; PIN_NUMBER "1" at 21326.35,26191.57 h25
C42: PIN_NUMBER "2" at 21376.85,26253.57 h25; PIN_NUMBER "1" at 21306.85,26253.57 h25
C43: PIN_NUMBER "1" at 21325.35,26478.57 h25; PIN_NUMBER "2" at 21358.35,26478.57 h25
C45: PIN_NUMBER "2" at 23467.35,21070.57 h25 r180; PIN_NUMBER "1" at 23500.35,21070.57 h25 r180
C46: PIN_NUMBER "2" at 23446.85,21384.57 h25 r180; PIN_NUMBER "1" at 23516.85,21384.57 h25 r180
C47: PIN_NUMBER "2" at 23460.35,21327.57 h25 r180; PIN_NUMBER "1" at 23493.35,21327.57 h25 r180
C48: PIN_NUMBER "2" at 23770.85,20951.07 h25 r270; PIN_NUMBER "1" at 23770.85,20984.07 h25 r270
C49: PIN_NUMBER "2" at 23724.85,20952.07 h25 r270; PIN_NUMBER "1" at 23724.85,20985.07 h25 r270
C50: PIN_NUMBER "2" at 23859.85,20952.07 h25 r270; PIN_NUMBER "1" at 23859.85,20985.07 h25 r270
C51: PIN_NUMBER "2" at 23904.85,20952.07 h25 r270; PIN_NUMBER "1" at 23904.85,20985.07 h25 r270
C52: PIN_NUMBER "2" at 23948.85,20952.07 h25 r270; PIN_NUMBER "1" at 23948.85,20985.07 h25 r270
C53: PIN_NUMBER "2" at 23622.85,20944.57 h25 r270; PIN_NUMBER "1" at 23622.85,21014.57 h25 r270
C54: PIN_NUMBER "2" at 23678.85,20952.07 h25 r270; PIN_NUMBER "1" at 23678.85,20985.07 h25 r270
C55: PIN_NUMBER "2" at 24182.85,20584.07 h25 r270; PIN_NUMBER "1" at 24182.85,20617.07 h25 r270
C56: PIN_NUMBER "2" at 23117.85,25060.57 h25 r90; PIN_NUMBER "1" at 23117.85,24990.57 h25 r90
C57: PIN_NUMBER "2" at 23812.85,25020.07 h25 r270; PIN_NUMBER "1" at 23812.85,25053.07 h25 r270
C58: PIN_NUMBER "2" at 22597.85,25322.07 h25 r90; PIN_NUMBER "1" at 22597.85,25289.07 h25 r90
C59: PIN_NUMBER "2" at 23882.85,25315.57 h25 r90; PIN_NUMBER "1" at 23882.85,25245.57 h25 r90
C60: PIN_NUMBER "2" at 23812.85,25302.07 h25 r90; PIN_NUMBER "1" at 23812.85,25269.07 h25 r90
C61: PIN_NUMBER "2" at 22346.55,26463.41 h15.75 r270; PIN_NUMBER "1" at 22346.55,26567.74 h15.75 r270
C62: PIN_NUMBER "2" at 22307.85,26645.57 h25 r180; PIN_NUMBER "1" at 22377.85,26645.57 h25 r180
C68: PIN_NUMBER "2" at 22612.85,21957.07 h25 r90; PIN_NUMBER "1" at 22612.85,21924.07 h25 r90
C69: PIN_NUMBER "2" at 22517.85,21957.07 h25 r90; PIN_NUMBER "1" at 22517.85,21924.07 h25 r90
C79: PIN_NUMBER "2" at 22887.85,25748.57 h25 r90; PIN_NUMBER "1" at 22887.85,25715.57 h25 r90
C80: PIN_NUMBER "2" at 22737.85,25747.07 h25 r90; PIN_NUMBER "1" at 22737.85,25714.07 h25 r90
C87: PIN_NUMBER "2" at 21249.35,25553.57 h25; PIN_NUMBER "1" at 21216.37,25553.57 h25
C88: PIN_NUMBER "2" at 21249.35,24815.57 h25; PIN_NUMBER "1" at 21216.35,24815.57 h25
C89: PIN_NUMBER "2" at 20843.85,23911.57 h25 r180; PIN_NUMBER "1" at 20913.85,23911.57 h25 r180
C93: PIN_NUMBER "2" at 21692.85,26330.57 h25 r270; PIN_NUMBER "1" at 21692.85,26400.57 h25 r270
C95: PIN_NUMBER "2" at 22132.85,26769.07 h25 r270; PIN_NUMBER "1" at 22132.85,26802.07 h25 r270
C96: PIN_NUMBER "2" at 22022.85,26802.07 h25 r90; PIN_NUMBER "1" at 22022.85,26769.07 h25 r90
C99: PIN_NUMBER "2" at 24361.35,23440.57 h25 r180; PIN_NUMBER "1" at 24394.35,23440.57 h25 r180
C100: PIN_NUMBER "2" at 24361.35,23500.57 h25 r180; PIN_NUMBER "1" at 24394.35,23500.57 h25 r180
C101: PIN_NUMBER "2" at 24361.35,23565.57 h25 r180; PIN_NUMBER "1" at 24394.35,23565.57 h25 r180
C102: PIN_NUMBER "2" at 24322.85,26682.07 h25 r90; PIN_NUMBER "1" at 24322.85,26649.07 h25 r90
C103: PIN_NUMBER "2" at 24162.85,26267.07 h25 r90; PIN_NUMBER "1" at 24162.85,26234.07 h25 r90
C104: PIN_NUMBER "2" at 24242.85,26682.07 h25 r90; PIN_NUMBER "1" at 24242.85,26649.07 h25 r90
C105: PIN_NUMBER "2" at 24005.35,26270.67 h25 r90; PIN_NUMBER "1" at 24005.35,26237.68 h25 r90
C106: PIN_NUMBER "2" at 23284.85,26851.57 h25 r180; PIN_NUMBER "1" at 23354.85,26851.57 h25 r180
C112: PIN_NUMBER "2" at 21216.35,22820.57 h25 r180; PIN_NUMBER "1" at 21249.35,22820.57 h25 r180
C117: PIN_NUMBER "2" at 21216.35,22870.57 h25 r180; PIN_NUMBER "1" at 21249.35,22870.57 h25 r180
C118: PIN_NUMBER "2" at 22102.85,24410.57 h25 r90; PIN_NUMBER "1" at 22102.85,24340.57 h25 r90
C128: PIN_NUMBER "1" at 22263.85,24348.07 h25 r90; PIN_NUMBER "2" at 22263.85,24381.07 h25 r90
C129: PIN_NUMBER "2" at 22212.85,24382.39 h25 r90; PIN_NUMBER "1" at 22212.85,24349.39 h25 r90
C130: PIN_NUMBER "2" at 22162.85,24382.39 h25 r90; PIN_NUMBER "1" at 22162.85,24349.39 h25 r90
C137: PIN_NUMBER "1" at 24282.85,20617.07 h25 r270; PIN_NUMBER "2" at 24282.85,20584.07 h25 r270
C144: PIN_NUMBER "2" at 23847.85,25595.57 h25; PIN_NUMBER "1" at 23777.85,25595.57 h25
C145: PIN_NUMBER "2" at 23825.85,25660.57 h25; PIN_NUMBER "1" at 23792.85,25660.57 h25
C148: PIN_NUMBER "2" at 22937.85,25747.07 h25 r90; PIN_NUMBER "1" at 22937.85,25714.07 h25 r90
C149: PIN_NUMBER "2" at 22787.85,25747.07 h25 r90; PIN_NUMBER "1" at 22787.85,25714.07 h25 r90
C150: PIN_NUMBER "2" at 23339.35,26780.57 h25; PIN_NUMBER "1" at 23306.35,26780.57 h25
C151: PIN_NUMBER "1" at 24242.85,26234.07 h25 r90; PIN_NUMBER "2" at 24242.85,26267.07 h25 r90
C152: PIN_NUMBER "2" at 21767.85,25595.57 h25; PIN_NUMBER "1" at 21697.85,25595.57 h25
C153: PIN_NUMBER "2" at 21750.85,25660.57 h25; PIN_NUMBER "1" at 21717.85,25660.57 h25
C154: PIN_NUMBER "2" at 21842.85,26575.57 h25 r270; PIN_NUMBER "1" at 21842.85,26645.57 h25 r270
CB1: PIN_NUMBER "2" at 23465.35,21230.57 h25 r180; PIN_NUMBER "1" at 23498.35,21230.57 h25 r180
CB2: PIN_NUMBER "1" at 23500.34,21163.57 h25 r180; PIN_NUMBER "2" at 23467.35,21163.57 h25 r180
CB3: PIN_NUMBER "1" at 23815.85,20951.07 h25 r90; PIN_NUMBER "2" at 23815.85,20984.07 h25 r90
CB4: PIN_NUMBER "2" at 24032.85,20617.07 h25 r90; PIN_NUMBER "1" at 24032.85,20584.08 h25 r90
CB5: PIN_NUMBER "2" at 23882.85,20617.07 h25 r90; PIN_NUMBER "1" at 23882.85,20584.07 h25 r90
CN1: PIN_NUMBER "36" at 22499.01,25790.33 h25; PIN_NUMBER "33" at 22439.96,25790.33 h25; PIN_NUMBER "34" at 22459.65,25790.33 h25; PIN_NUMBER "19" at 22164.37,25790.33 h25; PIN_NUMBER "21" at 22203.74,25790.33 h25; PIN_NUMBER "22" at 22223.42,25790.33 h25; PIN_NUMBER "23" at 22243.11,25790.33 h25; PIN_NUMBER "24" at 22262.79,25790.33 h25; PIN_NUMBER "12" at 22026.57,25790.33 h25; PIN_NUMBER "15" at 22085.63,25790.33 h25; PIN_NUMBER "13" at 22046.26,25790.33 h25; PIN_NUMBER "14" at 22065.94,25790.33 h25; PIN_NUMBER "8" at 21957.83,25790.33 h25; PIN_NUMBER "18" at 22144.68,25790.33 h25; PIN_NUMBER "7" at 21938.15,25790.33 h25; PIN_NUMBER "10" at 21987.2,25790.33 h25; PIN_NUMBER "16" at 22105.31,25790.33 h25; PIN_NUMBER "17" at 22125,25790.33 h25; PIN_NUMBER "9" at 21977.52,25790.33 h25; PIN_NUMBER "40" at 22577.76,25790.33 h25; PIN_NUMBER "41" at 21715.61,25896.63 h20; PIN_NUMBER "42" at 22680.18,25896.63 h20; PIN_NUMBER "39" at 22558.07,25790.33 h25; PIN_NUMBER "38" at 22538.38,25790.33 h25; PIN_NUMBER "32" at 22420.28,25790.33 h25; PIN_NUMBER "27" at 22321.85,25790.33 h25; PIN_NUMBER "29" at 22361.22,25790.33 h25; PIN_NUMBER "20" at 22184.05,25790.33 h25; PIN_NUMBER "11" at 22006.89,25790.33 h25; PIN_NUMBER "6" at 21918.46,25790.33 h25; PIN_NUMBER "37" at 22518.7,25790.33 h25; PIN_NUMBER "30" at 22380.9,25790.33 h25; PIN_NUMBER "26" at 22302.17,25790.33 h25; PIN_NUMBER "25" at 22282.48,25790.33 h25; PIN_NUMBER "35" at 22479.33,25790.33 h25; PIN_NUMBER "28" at 22341.53,25790.33 h25; PIN_NUMBER "31" at 22400.59,25790.33 h25; PIN_NUMBER "5" at 21898.78,25790.33 h25; PIN_NUMBER "2" at 21839.72,25790.33 h25; PIN_NUMBER "3" at 21859.41,25790.33 h25; PIN_NUMBER "4" at 21879.09,25790.33 h25; PIN_NUMBER "1" at 21820.04,25790.33 h25
CON2: PIN_NUMBER "1" at 23137.58,20301.48 h27.56 r270; PIN_NUMBER "10" at 23380.89,20245.57 h27.56 r270; PIN_NUMBER "11" at 22396.63,20245.57 h27.56 r270; PIN_NUMBER "4" at 22813.96,20301.48 h27.56 r270; PIN_NUMBER "6" at 23083.64,20189.67 h27.56 r270; PIN_NUMBER "9" at 22760.02,20189.67 h27.56 r270; PIN_NUMBER "5" at 22706.08,20301.48 h27.56 r270; PIN_NUMBER "3" at 22921.83,20301.48 h27.56 r270; PIN_NUMBER "2" at 23029.7,20301.48 h27.56 r270; PIN_NUMBER "8" at 22867.89,20189.67 h27.56 r270; PIN_NUMBER "7" at 22975.77,20189.67 h27.56 r270
CON3: PIN_NUMBER "1" at 21692.58,20301.48 h27.56 r270; PIN_NUMBER "10" at 21935.89,20245.57 h27.56 r270; PIN_NUMBER "11" at 20951.63,20245.57 h27.56 r270; PIN_NUMBER "4" at 21368.96,20301.48 h27.56 r270; PIN_NUMBER "6" at 21638.64,20189.67 h27.56 r270; PIN_NUMBER "9" at 21315.02,20189.67 h27.56 r270; PIN_NUMBER "5" at 21261.08,20301.48 h27.56 r270; PIN_NUMBER "2" at 21584.7,20301.48 h27.56 r270; PIN_NUMBER "3" at 21476.83,20301.48 h27.56 r270; PIN_NUMBER "7" at 21530.77,20189.67 h27.56 r270; PIN_NUMBER "8" at 21422.89,20189.67 h27.56 r270
CON7: PIN_NUMBER "1" at 20682.97,23861.75 h23.62; PIN_NUMBER "10" at 20528.25,23810.57 h23.62 r180; PIN_NUMBER "7" at 20673.52,23713.13 h23.62; PIN_NUMBER "6" at 20673.52,23908.01 h23.62; PIN_NUMBER "9" at 20562.3,23672.78 h23.62; PIN_NUMBER "8" at 20562.3,23948.37 h23.62; PIN_NUMBER "5" at 20682.97,23759.39 h23.62; PIN_NUMBER "4" at 20682.97,23784.98 h23.62; PIN_NUMBER "2" at 20682.97,23836.16 h23.62; PIN_NUMBER "3" at 20682.97,23810.57 h23.62
CON9: PIN_NUMBER "12" at 23683.35,26943.78 h20; PIN_NUMBER "5" at 23581.11,26943.78 h20; PIN_NUMBER "6" at 23596.86,26943.78 h20; PIN_NUMBER "11" at 23667.6,26943.78 h20; PIN_NUMBER "3" at 23549.62,26943.78 h20; PIN_NUMBER "8" at 23628.36,26943.78 h20; PIN_NUMBER "9" at 23644.11,26943.78 h20; PIN_NUMBER "2" at 23533.87,26943.78 h20; PIN_NUMBER "17" at 23762.09,26943.78 h20; PIN_NUMBER "1" at 23518.12,26943.78 h20; PIN_NUMBER "20" at 23472.27,27064.65 h20 r90; PIN_NUMBER "22" at 23472.27,27241.81 h20 r90; PIN_NUMBER "21" at 23899.44,27064.65 h20 r90; PIN_NUMBER "23" at 23899.44,27241.81 h20 r90; PIN_NUMBER "13" at 23699.1,26943.78 h20; PIN_NUMBER "10" at 23651.85,26943.78 h20; PIN_NUMBER "7" at 23612.61,26943.78 h20; PIN_NUMBER "4" at 23565.37,26943.78 h20; PIN_NUMBER "16" at 23746.34,26943.78 h20; PIN_NUMBER "15" at 23730.59,26943.78 h20; PIN_NUMBER "14" at 23714.85,26943.78 h20; PIN_NUMBER "19" at 23793.59,26943.78 h20; PIN_NUMBER "18" at 23777.84,26943.78 h20; Top Overlay "19" at 23797.78,26942.6 h25
CON10: PIN_NUMBER "64" at 21808.01,23494.28 h25 r90; PIN_NUMBER "63" at 21489.9,23494.28 h25 r90; PIN_NUMBER "70" at 21808.01,23553.32 h25 r90; PIN_NUMBER "62" at 21808.01,23474.58 h25 r90; PIN_NUMBER "50" at 21808.01,23356.47 h25 r90; PIN_NUMBER "61" at 21489.9,23474.58 h25 r90; PIN_NUMBER "49" at 21489.9,23356.47 h25 r90; PIN_NUMBER "65" at 21489.9,23513.95 h25 r90; PIN_NUMBER "34" at 21808.01,23198.99 h25 r90; PIN_NUMBER "53" at 21489.9,23395.84 h25 r90; PIN_NUMBER "68" at 21808.01,23533.64 h25 r90; PIN_NUMBER "57" at 21489.9,23435.21 h25 r90; PIN_NUMBER "55" at 21489.9,23415.54 h25 r90; PIN_NUMBER "72" at 21808.01,23573.01 h25 r90; PIN_NUMBER "9" at 21499.9,22962.78 h25 r90; PIN_NUMBER "32" at 21808.01,23179.31 h25 r90; PIN_NUMBER "51" at 21489.9,23376.17 h25 r90; PIN_NUMBER "67" at 21489.9,23533.64 h25 r90; PIN_NUMBER "66" at 21808.01,23513.95 h25 r90; PIN_NUMBER "39" at 21489.9,23258.06 h25 r90; PIN_NUMBER "7" at 21499.9,22943.1 h25 r90; PIN_NUMBER "24" at 21808.01,23100.58 h25 r90; PIN_NUMBER "29" at 21489.9,23159.62 h25 r90; PIN_NUMBER "80" at 21808.01,23651.75 h25 r90; PIN_NUMBER "79" at 21489.9,23651.75 h25 r90; PIN_NUMBER "21" at 21489.9,23080.88 h25 r90; PIN_NUMBER "18" at 21808.01,23041.51 h25 r90; PIN_NUMBER "15" at 21489.9,23021.83 h25 r90; PIN_NUMBER "8" at 21818.01,22943.1 h25 r90; PIN_NUMBER "71" at 21489.9,23573.01 h25 r90; PIN_NUMBER "44" at 21808.01,23297.42 h25 r90; PIN_NUMBER "54" at 21808.01,23395.84 h25 r90; PIN_NUMBER "73" at 21489.9,23592.69 h25 r90; PIN_NUMBER "45" at 21489.9,23317.1 h25 r90; PIN_NUMBER "77" at 21489.9,23632.06 h25 r90; PIN_NUMBER "78" at 21808.01,23632.06 h25 r90; PIN_NUMBER "20" at 21808.01,23061.21 h25 r90; PIN_NUMBER "52" at 21808.01,23376.17 h25 r90; PIN_NUMBER "35" at 21489.9,23218.69 h25 r90; PIN_NUMBER "36" at 21808.01,23218.69 h25 r90; PIN_NUMBER "22" at 21808.01,23080.88 h25 r90; PIN_NUMBER "74" at 21808.01,23592.69 h25 r90; PIN_NUMBER "46" at 21808.01,23317.1 h25 r90; PIN_NUMBER "47" at 21489.9,23336.79 h25 r90; PIN_NUMBER "31" at 21489.9,23179.31 h25 r90; PIN_NUMBER "27" at 21489.9,23139.94 h25 r90; PIN_NUMBER "23" at 21489.9,23100.58 h25 r90; PIN_NUMBER "25" at 21489.9,23120.25 h25 r90; PIN_NUMBER "26" at 21808.01,23120.25 h25 r90; PIN_NUMBER "28" at 21808.01,23139.94 h25 r90; PIN_NUMBER "59" at 21489.9,23454.91 h25 r90; PIN_NUMBER "30" at 21808.01,23159.62 h25 r90; PIN_NUMBER "33" at 21489.9,23198.99 h25 r90; PIN_NUMBER "75" at 21489.9,23612.38 h25 r90; PIN_NUMBER "76" at 21808.01,23612.38 h25 r90; PIN_NUMBER "12" at 21808.01,22982.47 h25 r90; PIN_NUMBER "42" at 21808.01,23277.73 h25 r90; PIN_NUMBER "38" at 21808.01,23238.36 h25 r90; PIN_NUMBER "40" at 21808.01,23258.06 h25 r90; PIN_NUMBER "37" at 21489.9,23238.36 h25 r90; PIN_NUMBER "41" at 21489.9,23277.73 h25 r90; PIN_NUMBER "43" at 21489.9,23297.42 h25 r90; PIN_NUMBER "19" at 21489.9,23061.21 h25 r90; PIN_NUMBER "11" at 21489.9,22982.47 h25 r90; PIN_NUMBER "16" at 21808.01,23021.83 h25 r90; PIN_NUMBER "13" at 21489.9,23002.15 h25 r90; PIN_NUMBER "56" at 21808.01,23415.54 h25 r90; PIN_NUMBER "58" at 21808.01,23435.21 h25 r90; PIN_NUMBER "14" at 21808.01,23002.15 h25 r90; PIN_NUMBER "10" at 21808.01,22962.78 h25 r90; PIN_NUMBER "17" at 21489.9,23041.51 h25 r90; PIN_NUMBER "48" at 21808.01,23336.79 h25 r90; PIN_NUMBER "69" at 21489.9,23553.32 h25 r90; PIN_NUMBER "60" at 21808.01,23454.91 h25 r90; PIN_NUMBER "6" at 21818.01,22923.41 h25 r90; PIN_NUMBER "5" at 21499.9,22923.41 h25 r90; PIN_NUMBER "3" at 21499.9,22903.72 h25 r90; PIN_NUMBER "4" at 21818.01,22903.72 h25 r90; PIN_NUMBER "2" at 21818.01,22884.04 h25 r90; PIN_NUMBER "1" at 21499.9,22884.04 h25 r90